# Allegro board SG2042_EVB_V2_0.brd (continued)
## Routing (per net, layer and track width the routed paths; a pad name or vN(x,y) marks a point on that pad's centre or on a via; arc(x,y) is an arc through that point) (continued)
  TOP w0.254: 22.86,223.6 R12617.2 ; R12617.2 23.29,223.16 ; R12617.2 v1(23.29,224.21) ; 52.33,166.23 J3.134 ; J3.134 52.99,165.56 ; J3.134 53.65,166.23 ; J3.134 52.99,166.89 ; v1(203.58,101.65) C6190.2 202.81,101.49 U3274.2 ; 52.99,279.46 J3.6 53.65,280.13 ; 178.31,264.16 J1.24 ; J1.24 178.31,265.49 ; J1.24 178.97,264.83 ; J1.24 177.65,264.83 ; U806.11 193.09,240.11 ; U806.11 v1(194.26,239.75) ; U806.11 192.08,239.75 ; C6247.2 v1(22.78,182.19) ; C6247.2 22.35,182.8 ; C6247.2 23.22,182.8 ; 212.9,208.43 C6159.2 ; C6159.2 212.47,208.86 ; C6159.2 212.9,209.3 ; v1(182.75,113.08) R12976.1 183.21,112.47 ; U29.11 190.24,178.76 ; 60.79,270.11 J4.17 ; J4.17 60.79,271.44 ; J4.17 61.45,270.78 ; J4.17 60.13,270.78 ; J1.246 182.77,193.43 ; J1.246 182.11,192.76 ; J1.246 181.45,193.43 ; J1.246 182.11,194.09 ; 178.31,279.46 J1.6 ; J1.6 178.97,280.13 ; J1.6 177.65,280.13 ; J1.55 176.71,239.14 ; J1.55 177.37,238.48 ; J1.55 176.05,238.48 ; R74.1 36.98,269.09 ; R74.1 v1(37.59,268.63) ; R74.1 R76.1 ; 63.93,177.27 J4.265 ; J4.265 65.25,177.27 ; J4.265 64.59,177.94 ; J4.265 64.59,176.61 ; 204.85,260.49 U813.4 ; U813.4 205.33,259.81 ; U813.4 v1(205.33,261.37) ; U813.4 205.82,260.49 ; R290.2 61.37,128.59 v1(60.82,129.13) ; R290.2 61.8,128.12 ; R290.2 61.37,127.69 ; 51.39,254.81 J3.35 ; J3.35 50.73,255.47 ; J3.35 51.39,256.14 ; J3.35 52.05,255.47 ; 56.13,276.73 J3.154 ; J3.154 56.79,277.39 ; J3.154 57.45,276.73 ; J3.154 56.79,276.06 ; D579.1 v1(233.65,170.21) ; D579.1 233.15,170.54 ; D579.1 232.82,170.21 ; v1(143.64,62.81) C5687.2 143.66,62.18 R12519.2 ; R13012.2 195,112.93 ; R13012.2 R13013.2 ; R13012.2 R13014.2 ; 187.73,73.18 C5985.2 ; C5985.2 188.6,73.18 ; C5985.2 188.16,73.61 ; J2.156 173.37,275.03 ; J2.156 172.05,275.03 ; J2.156 172.71,274.36 ; J2.156 172.71,275.69 ; v1(16.87,282.07) C534.1 ; C534.1 C533.1 C532.1 ; C534.1 C535.1 ; 50.73,238.48 J3.55 ; J3.55 52.05,238.48 ; J3.55 51.39,239.14 ; 55.19,266.71 J3.165 ; J3.165 55.85,267.38 ; J3.165 55.19,268.04 ; J3.165 54.53,267.38 ; C5920.2 v1(30.89,143.08) ; J2.26 168.91,263.79 ; J2.26 169.57,263.13 ; J2.26 168.91,262.46 ; J2.26 168.25,263.13 ; J1.114 178.97,183.23 ; J1.114 178.31,182.56 ; J1.114 178.31,183.89 ; J1.114 177.65,183.23 ; 170.45,260.58 J2.173 ; J2.173 171.11,259.91 ; J2.173 171.77,260.58 ; J2.173 171.11,261.24 ; J4.184 66.19,251.89 ; J4.184 66.19,250.56 ; J4.184 65.53,251.23 ; 65.15,44.76 J2036.A18 64.6,43.41 ; R292.2 116.51,114.78 ; R292.2 116.08,115.46 v1(116.08,115.46) ; R292.2 115.65,114.78 ; R299.2 134.93,92.13 ; R299.2 v1(133.88,92.13) ; R299.2 134.49,92.56 ; C5762.2 52.65,67.97 ; C5762.2 52.65,67.11 ; C5762.2 v1(52.04,67.54) ; R39.2 211.89,283.64 ; R39.2 211.89,282.78 ; R39.2 v1(212.5,283.21) ; C3509.2 123.77,82.83 ; C3509.2 v1(123.16,82.4) ; C3509.2 123.77,81.97 ; 154.93,49.69 J2030.73 v1(152.83,49.69) ; J1.105 176.71,191.54 ; J1.105 177.37,190.88 ; J1.105 176.05,190.88 ; J1.105 176.71,190.21 ; C5836.2 219.48,77.19 ; C5836.2 C5837.2 ; C5836.2 v1(219,77.8) ; 168.91,180.86 J2.116 ; J2.116 168.91,182.19 ; J2.116 169.57,181.53 ; J2.116 168.25,181.53 ; 224.12,232.3 U2005.1 ; U2005.1 224.5,231.82 ; U2005.1 v1(224.5,232.94) ; 179.85,199.38 J1.239 ; J1.239 180.51,198.71 ; J1.239 181.17,199.38 ; J3.263 55.19,179.64 ; J3.263 54.53,178.98 ; J3.263 55.19,178.31 ; J3.263 55.85,178.98 ; v1(90.81,301.24) C3375.1 90.66,300.49 U3262.29 ; J2.261 171.11,181.34 ; J2.261 171.11,180.01 ; J2.261 170.45,180.68 ; J2.261 171.77,180.68 ; K2.1 v1(227.01,190.17) ; K2.1 227.01,187.09 ; K2.1 226.2,188.54 ; K2.1 227.83,188.54 ; C3315.1 v1(49.12,75.18) ; C3315.1 48.51,75.62 ; C3315.1 48.51,74.75 ; R12725.2 v1(228.37,94.11) C6011.1 ; R12725.2 228.8,93.5 ; R12725.2 227.94,93.5 ; R2586.1 v1(120.98,80.9) ; R2586.1 122.02,80.9 ; R2586.1 121.59,80.47 ; 56.79,270.96 J3.160 ; J3.160 57.45,271.63 ; J3.160 56.13,271.63 ; J3.160 56.79,272.29 ; K2.3 227.83,180.02 ; K2.3 226.2,180.02 ; K2.3 v1(227.01,178.38) ; K2.3 227.01,181.47 ; C3309.2 56.01,73.89 ; C3309.2 v1(56.62,74.32) ; C3309.2 C3310.2 ; J4.171 65.25,262.28 ; J4.171 63.93,262.28 ; J4.171 64.59,262.94 ; J4.171 64.59,261.61 ; 122.23,13.35 Q2020.2 ; Q2020.2 122.79,12.67 ; Q2020.2 123.35,13.35 ; Q2020.2 v1(122.79,14.22) ; Q2010.2 130.39,50.61 ; Q2010.2 v1(130.39,49.07) ; Q2010.2 129.83,49.93 ; Q2010.2 130.95,49.93 ; 170.45,246.98 J2.189 ; J2.189 171.77,246.98 ; J2.189 171.11,247.64 ; J2.189 171.11,246.31 ; 171.11,164.71 J2.279 ; J2.279 171.11,166.04 ; J2.279 171.77,165.38 ; J2.279 170.45,165.38 ; 228.6,142.52 C6100.2 ; C6100.2 229.46,142.52 ; C6100.2 v1(229.03,141.91) ; C6166.2 v1(218.01,199.87) ; 231.5,271.51 D8.2 232.15,271.51 ; 60.13,238.48 J4.55 ; J4.55 61.45,238.48 ; J4.55 60.79,237.81 ; J4.55 60.79,239.14 ; C6213.2 v1(200.63,81.05) ; C6213.2 200.03,80.62 ; C6213.2 200.03,81.48 ; 51.39,256.51 J3.33 ; J3.33 52.05,257.18 ; J3.33 50.73,257.18 ; J3.33 51.39,257.84 ; J1.250 182.11,190.69 ; J1.250 181.45,190.03 ; J1.250 182.77,190.03 ; J1.250 182.11,189.36 ; 119.95,296.02 U3265.6 118.79,296.02 ; 49.38,152.5 C44.2 48.95,152.93 ; 231.5,266.88 D13.2 232.15,266.88 ; R80.1 37.44,266.04 ; R80.1 R78.1 ; R80.1 R82.1 ; 118.83,13.35 Q2018.2 ; Q2018.2 119.39,12.67 ; Q2018.2 119.95,13.35 ; Q2018.2 v1(119.39,14.22) ; 50.73,194.28 J3.101 ; J3.101 51.39,193.61 ; J3.101 51.39,194.94 ; J3.101 52.05,194.28 ; J3.254 56.79,187.29 ; J3.254 57.45,186.63 ; J3.254 56.79,185.96 ; J3.254 56.13,186.63 ; J4.35 61.45,255.47 ; J4.35 60.79,256.14 ; J4.35 60.13,255.47 ; J4.35 60.79,254.81 ; v1(115.01,37.16) 115.04,37.14 U2009.10 ; 176.05,194.28 J1.101 ; J1.101 176.71,193.61 ; J1.101 176.71,194.94 ; J1.101 177.37,194.28 ; C3308.1 48.51,116.76 ; C3308.1 v1(49.12,116.33) ; C3308.1 48.51,115.9 ; J2.28 169.57,261.43 ; J2.28 168.25,261.43 ; J2.28 168.91,262.09 ; J2.28 168.91,260.76 ; J1.107 176.71,189.84 ; J1.107 176.05,189.18 ; J1.107 177.37,189.18 ; J1.107 176.71,188.51 ; R12919.1 v1(219.71,198.4) ; v1(49.83,175.74) R12878.1 49.2,175.77 R12877.2 ; J3.171 55.19,262.94 ; J3.171 54.53,262.28 ; J3.171 55.19,261.61 ; J3.171 55.85,262.28 ; 111.34,36.64 Q403.2 ; Q403.2 111.9,35.96 ; Q403.2 v1(111.9,37.52) ; Q403.2 112.46,36.64 ; C3461.1 v1(146.2,301.07) ; C3461.1 v1(145.59,300.46) ; C3461.1 146.66,300.46 ; J3.131 51.39,169.44 ; J3.131 50.73,168.78 ; J3.131 51.39,168.11 ; J3.131 52.05,168.78 ; 181.45,169.63 J1.274 ; J1.274 182.11,170.29 ; J1.274 182.11,168.96 ; J1.274 182.77,169.63 ; Q2027.2 110.68,15.27 ; Q2027.2 110.12,14.59 ; Q2027.2 v1(110.68,13.74) ; Q2027.2 111.24,14.59 ; 55.5,87.48 55.5,87.91 ; 55.5,87.48 55.5,87.05 ; 55.5,87.48 v1(56.11,87.48) ; v1(213.69,76.28) R12675.2 ; 56.13,237.63 J3.200 ; J3.200 57.45,237.63 ; J3.200 56.79,238.29 ; 61.73,198.53 J4.96 62.39,199.19 ; Q2025.2 114.09,15.27 ; Q2025.2 114.65,14.59 ; Q2025.2 v1(114.09,13.74) ; Q2025.2 113.53,14.59 ; J2.42 168.91,250.19 ; J2.42 169.57,249.53 ; J2.42 168.91,248.86 ; J2.42 168.25,249.53 ; 60.13,175.58 J4.123 ; J4.123 61.45,175.58 ; J4.123 60.79,176.24 ; J4.123 60.79,174.91 ; 63.93,248.68 J4.187 ; J4.187 64.59,249.34 ; J4.187 64.59,248.01 ; J4.187 65.25,248.68 ; 51.39,270.11 J3.17 ; J3.17 50.73,270.78 ; J3.17 51.39,271.44 ; J3.17 52.05,270.78 ; J3.261 55.19,181.34 ; J3.261 55.19,180.01 ; J3.261 55.85,180.68 ; J3.261 54.53,180.68 ; 110.38,106.53 U17.40 ; U17.40 110.68,107.01 ; U17.40 110.38,107.66 v1(110.21,107.82) ; J4.46 63.05,246.12 ; J4.46 62.39,245.46 ; J4.46 62.39,246.79 ; J4.46 61.73,246.12 ; J3.44 53.65,247.83 ; J3.44 52.99,248.49 ; J3.44 52.99,247.16 ; J3.44 52.33,247.83 ; 181.45,256.33 J1.178 ; J1.178 182.77,256.33 ; J1.178 182.11,255.66 ; J1.178 182.11,256.99 ; Q2026.2 107.28,15.27 ; Q2026.2 107.84,14.59 ; Q2026.2 106.72,14.59 ; Q2026.2 v1(107.28,13.74) ; v1(152.83,39.69) J2030.33 v1(155.09,39.69) ; C6024.2 191.59,14.33 ; C6024.2 v1(191.13,14.94) ; C6024.2 C6026.2 ; 174.32,199.42 R6.2 ; R6.2 v1(175.36,199.42) ; R6.2 174.75,198.98 ; U47.4 192.7,225.72 v1(192.74,225.76) ; v1(18.14,211.66) D544.1 18.64,212.01 ; J1.189 180.51,247.64 ; J1.189 180.51,246.31 ; J1.189 179.85,246.98 ; J1.189 181.17,246.98 ; 208.89,106.6 U2018.11 ; U2018.11 209.24,107.6 ; U2018.11 v1(209.24,105.41) ; 60.79,186.81 J4.109 ; J4.109 61.45,187.48 ; J4.109 60.13,187.48 ; J4.109 60.79,188.14 ; 54.53,184.08 J3.257 ; J3.257 55.19,183.41 ; J3.257 55.85,184.08 ; J3.257 55.19,184.74 ; v1(23.34,169.92) D607.1 24.21,169.92 ; 183.95,198.98 R2.2 ; R2.2 v1(183.34,199.42) ; R2.2 184.38,199.42 ; J3.268 57.45,174.73 ; J3.268 56.79,175.39 ; J3.268 56.79,174.06 ; J3.268 56.13,174.73 ; 179.85,180.68 J1.261 ; J1.261 181.17,180.68 ; J1.261 180.51,180.01 ; J1.261 180.51,181.34 ; C580.1 C579.1 v1(109.19,266.45) ; C580.1 109.8,265.18 ; C580.1 v1(109.19,265.58) 108.58,265.58 108.58,265.18 ; C3433.1 108.38,296.85 ; C3433.1 107.95,296.42 ; C3433.1 107.52,296.85 ; C5924.2 v1(30.05,221.18) ; C5924.2 29.44,221.62 ; C5924.2 29.44,220.75 ; Q2009.2 v1(133.39,48.97) ; Q2009.2 132.83,48.12 ; Q2009.2 133.39,47.43 ; Q2009.2 133.95,48.12 ; 60.79,169.81 J4.129 ; J4.129 60.79,171.14 ; J4.129 60.13,170.48 ; J4.129 61.45,170.48 ; 56.13,193.43 J3.246 ; J3.246 56.79,192.76 ; J3.246 57.45,193.43 ; J3.246 56.79,194.09 ; J1.33 176.71,257.84 ; J1.33 176.71,256.51 ; J1.33 176.05,257.18 ; J1.33 177.37,257.18 ; 46.67,138.9 Q2035.2 ; Q2035.2 47.79,138.9 ; Q2035.2 47.23,139.59 ; C3458.1 136.42,300.46 ; C3458.1 v1(135.97,301.07) ; C3458.1 v1(135.36,300.46) ; 64.59,164.71 J4.279 ; J4.279 65.25,165.38 ; J4.279 64.59,166.04 ; J4.279 63.93,165.38 ; C6018.2 v1(219.05,293.24) ; C6018.2 C6020.2 ; C6018.2 219.48,293.85 ; J1.9 177.37,277.58 ; J1.9 176.05,277.58 ; J1.9 176.71,278.24 ; J1.9 176.71,276.91 ; U17.11 110.38,113.28 ; U17.11 110.68,112.81 ; U17.11 110.38,112.16 v1(109.17,110.95) v1(108.13,109.91) ; R12559.2 238.99,93.5 ; R12559.2 238.12,93.5 ; R12559.2 v1(238.56,94.11) C5859.1 ; 56.79,172.36 J3.270 ; J3.270 56.13,173.03 ; J3.270 56.79,173.69 ; J3.270 57.45,173.03 ; J2.22 169.57,266.52 ; J2.22 168.91,267.19 ; J2.22 168.25,266.52 ; v1(49.86,180.87) C6153.2 R12875.2 ; R12842.2 v1(196.42,180.06) ; 177.65,184.93 J1.112 ; J1.112 178.31,185.59 ; J1.112 178.97,184.93 ; J1.112 178.31,184.26 ; 179.85,197.67 J1.241 ; J1.241 180.51,197.01 ; J1.241 180.51,198.34 ; J1.241 181.17,197.67 ; C3310.2 56.01,75.62 ; C3310.2 v1(56.62,75.18) ; 47.51,298.43 Q501.2 ; Q501.2 46.82,298.99 ; Q501.2 47.51,299.55 ; Q501.2 v1(48.36,298.99) ; 178.31,179.16 J1.118 ; J1.118 178.31,180.49 ; J1.118 177.65,179.83 ; J1.118 178.97,179.83 ; 18.64,200.1 D576.1 v1(18.14,199.75) ; 167.31,174.91 J2.123 ; J2.123 167.97,175.58 ; J2.123 167.31,176.24 ; J2.123 166.65,175.58 ; J3.272 57.45,171.33 ; J3.272 56.79,171.99 ; J3.272 56.13,171.33 ; J3.272 56.79,170.66 ; 232.15,277.96 D12.2 231.5,277.96 ; 60.79,271.81 J4.15 ; J4.15 61.45,272.48 ; J4.15 60.13,272.48 ; J4.15 60.79,273.14 ; J4.178 66.19,256.99 ; J4.178 66.19,255.66 ; J4.178 65.53,256.33 ; 171.11,261.61 J2.171 ; J2.171 170.45,262.28 ; J2.171 171.77,262.28 ; J2.171 171.11,262.94 ; v1(155.09,41.19) J2030.39 v1(152.83,41.19) ; 51.39,171.51 J3.127 ; J3.127 51.39,172.84 ; J3.127 50.73,172.18 ; J3.127 52.05,172.18 ; v1(155.09,33.69) J2030.9 v1(152.83,33.69) ; 60.13,192.58 J4.103 ; J4.103 60.79,191.91 ; J4.103 61.45,192.58 ; J4.103 60.79,193.24 ; GND1.1 v1(122.02,271.78) ; 51.39,190.21 J3.105 ; J3.105 51.39,191.54 ; J3.105 50.73,190.88 ; J3.105 52.05,190.88 ; 207.21,296.6 C3373.1 207.8,297.08 v1(207.82,297.05) ; C536.1 22.4,279.78 ; C536.1 v1(21.97,280.39) ; C536.1 21.97,279.35 ; 224.66,152.32 224.66,152.76 ; 224.66,152.32 v1(225.25,152.32) ; 224.66,152.32 224.66,151.89 ; 65.53,173.03 J4.270 ; J4.270 66.19,173.69 ; J4.270 66.85,173.03 ; J4.270 66.19,172.36 ; Q2034.2 186.75,15.59 ; Q2034.2 186.19,14.9 ; Q2034.2 v1(186.75,14.05) ; Q2034.2 187.31,14.9 ; 176.71,186.81 J1.109 ; J1.109 176.71,188.14 ; J1.109 177.37,187.48 ; J1.109 176.05,187.48 ; J4.272 66.19,171.99 ; J4.272 66.19,170.66 ; J4.272 65.53,171.33 ; J4.272 66.85,171.33 ; U3242.4 v1(20.52,139.32) ; U3242.4 21.77,138.82 ; U3242.4 21.77,139.81 ; U3242.4 22.83,139.32 ; C6140.1 39.24,205.49 ; C6140.1 v1(38.63,205.05) ; C6140.1 39.24,204.62 ; 172.05,167.92 J2.276 ; J2.276 173.37,167.92 ; J2.276 172.71,167.26 ; J2.276 172.71,168.59 ; 66.19,168.96 J4.274 ; J4.274 66.85,169.63 ; J4.274 65.53,169.63 ; J4.274 66.19,170.29 ; 60.13,194.28 J4.101 60.79,193.61 ; U3264.17 114.13,295.33 ; U3264.17 114.13,294.72 ; U3264.17 114.71,295.02 ; U3264.17 113.55,295.02 ; 163.04,86.79 R13031.2 162.61,86.36 ; 118.79,295.02 U3265.8 ; U3265.8 119.37,294.72 ; U3265.8 119.95,295.02 ; C3411.1 107.24,144.22 ; C3411.1 107.67,144.65 ; C3411.1 108.1,144.22 ; Y2.3 v1(109.68,98.61) ; Y2.3 107.33,98.61 ; Y2.3 v1(108.41,97.26) ; Y2.3 108.41,99.79 ; U2010.11 v1(75.39,155.93) ; U2010.11 75.39,153.76 ; U2010.11 75.75,154.77 ; C6017.2 37.72,140.49 ; C6017.2 v1(37.11,140.03) ; C6017.2 C6015.2 v1(37.11,139.17) ; 60.79,251.41 J4.39 ; J4.39 60.79,252.74 ; J4.39 61.45,252.08 ; J4.39 60.13,252.08 ; R12696.1 v1(113.46,71.25) ; 217.83,105.6 U14.11 ; U14.11 217.47,106.6 ; U14.11 v1(217.83,107.77) ; R41.2 16.74,287.58 ; R41.2 v1(16.13,287.15) ; R41.2 16.74,286.71 ; C5743.2 53.34,95.5 ; C5743.2 C5742.2 ; C5743.2 v1(53.8,96.11) ; U2019.3 v1(22.48,114.72) ; R12922.2 v1(19.89,116.38) ; 62.39,279.46 J4.6 ; J4.6 63.05,280.13 ; J4.6 61.73,280.13 ; C6044.2 20.8,200.94 ; C6044.2 20.22,200.38 ; C6044.2 21.39,200.38 ; J1.103 176.71,193.24 ; J1.103 176.71,191.91 ; J1.103 176.05,192.58 ; J1.103 177.37,192.58 ; J3.241 55.19,198.34 ; J3.241 55.85,197.67 ; J3.241 55.19,197.01 ; J3.241 54.53,197.67 ; J1.125 177.37,173.88 ; J1.125 176.71,173.21 ; J1.125 176.05,173.88 ; J1.125 176.71,174.54 ; 114.13,296.83 U3264.20 114.71,296.52 ; 54.53,199.38 J3.239 ; J3.239 55.85,199.38 ; J3.239 55.19,198.71 ; J2.252 172.71,188.99 ; J2.252 172.05,188.32 ; J2.252 173.37,188.32 ; J2.252 172.71,187.66 ; J3.15 52.05,272.48 ; J3.15 50.73,272.48 ; J3.15 51.39,271.81 ; J3.15 51.39,273.14 ; 60.79,168.11 J4.131 ; J4.131 60.13,168.78 ; J4.131 61.45,168.78 ; J4.131 60.79,169.44 ; C5751.2 v1(51.18,95.5) ; C5751.2 51.79,95.07 ; C5751.2 51.79,95.94 ; R313.1 v1(124.61,155.68) ; R313.1 125.04,156.29 ; R313.1 124.61,156.72 ; 63.93,260.58 J4.173 ; J4.173 64.59,259.91 ; J4.173 65.25,260.58 ; J4.173 64.59,261.24 ; 179.85,265.68 J1.167 ; J1.167 180.51,266.34 ; J1.167 181.17,265.68 ; J1.167 180.51,265.01 ; 52.33,249.53 J3.42 ; J3.42 53.65,249.53 ; J3.42 52.99,250.19 ; J3.42 52.99,248.86 ; v1(53.8,33.07) C5788.2 ; C5788.2 53.34,33.68 ; C5788.2 C5789.2 ; R12885.1 61.8,47.22 ; R12885.1 61.37,46.79 ; R12885.1 v1(61.37,47.83) ; 170.45,263.98 J2.169 ; J2.169 171.77,263.98 ; J2.169 171.11,263.31 ; 179.85,260.58 J1.173 ; J1.173 180.51,259.91 ; J1.173 181.17,260.58 ; J1.173 180.51,261.24 ; J1.46 178.31,246.79 ; J1.46 178.31,245.46 ; J1.46 178.97,246.12 ; J1.46 177.65,246.12 ; C6048.2 v1(19.76,204.6) ; C6048.2 20.19,205.21 ; C6048.2 19.33,205.21 ; 26.31,182.85 R13024.2 ; R13024.2 25.88,183.29 ; R13024.2 v1(26.31,183.9) ; U814.11 v1(37.03,235.97) ; U814.11 37.03,233.79 ; U814.11 36.67,234.79 ; 181.45,254.63 J1.180 ; J1.180 182.77,254.63 ; J1.180 182.11,255.29 ; J1.180 182.11,253.96 ; 176.05,172.18 J1.127 ; J1.127 176.71,171.51 ; J1.127 177.37,172.18 ; J1.127 176.71,172.84 ; C2010.2 19.51,70.26 ; C2010.2 19.51,69.39 ; C2010.2 v1(20.12,69.82) ; R12522.2 v1(130.66,60.91) ; J4.105 60.79,191.54 ; J4.105 61.45,190.88 ; J4.105 60.13,190.88 ; J4.105 60.79,190.21 ; C1675.2 214.96,214.68 ; C1675.2 v1(214.53,214.07) ; C1675.2 214.1,214.68 ; 36.98,263.88 R72.1 ; R72.1 R82.1 ; R72.1 37.41,264.31 ; C3382.1 95.05,278.79 ; J1.147 181.17,282.68 ; J1.147 180.51,282.01 ; J1.147 179.85,282.68 ; J1.147 180.51,283.34 ; U807.11 212.83,242.22 ; U807.11 v1(212.48,241.05) ; U807.11 212.48,243.22 ; 56.79,250.56 J3.184 ; J3.184 56.79,251.89 ; J3.184 56.13,251.23 ; J3.184 57.45,251.23 ; J2.187 171.11,249.34 ; J2.187 170.45,248.68 ; J2.187 171.77,248.68 ; J2.187 171.11,248.01 ; U11.5 v1(132.03,24.6) ; U11.5 130.7,24.6 ; U11.5 131.28,24.9 ; R12.2 v1(48.16,161.93) ; v1(224.46,231.39) C3334.1 225.15,231.47 U2005.2 ; U3268.8 107.07,146.05 ; J4.180 66.19,255.29 ; J4.180 66.19,253.96 ; J4.180 65.53,254.63 ; 56.13,169.63 J3.274 ; J3.274 56.79,168.96 ; J3.274 57.45,169.63 ; J3.274 56.79,170.29 ; J3.156 57.45,275.03 ; J3.156 56.79,274.36 ; J3.156 56.79,275.69 ; J3.156 56.13,275.03 ; C1232.2 225.7,258.88 ; C1232.2 v1(226.31,258.44) ; C1232.2 225.7,258.01 ; 179.85,267.38 J1.165 ; J1.165 181.17,267.38 ; J1.165 180.51,268.04 ; J1.165 180.51,266.71 ; 173.37,269.93 J2.162 172.71,270.59 ; C5791.2 48.51,47.65 ; C5791.2 48.51,46.79 ; C5791.2 v1(49.12,47.22) ; C1737.2 v1(56.62,115.47) ; C1737.2 56.01,115.04 ; C1737.2 56.01,115.9 ; C5667.2 v1(222.88,145.59) ; C5667.2 222.28,146.03 ; C5667.2 222.28,145.16 ; 176.05,170.48 J1.129 ; J1.129 177.37,170.48 ; J1.129 176.71,169.81 ; J1.129 176.71,171.14 ; 227.46,259.94 R2189.1 ; R2189.1 v1(228.5,259.94) ; R2189.1 227.89,260.38 ; 60.13,189.18 J4.107 ; J4.107 60.79,188.51 ; J4.107 60.79,189.84 ; J4.107 61.45,189.18 ; Q2022.2 126.76,13.35 ; Q2022.2 v1(126.2,14.22) ; Q2022.2 126.2,12.67 ; Q2022.2 125.64,13.35 ; 52.99,165.19 J3.136 53.65,164.53 ; 18.64,194.11 D578.1 v1(18.14,193.76) ; 172.71,187.29 J2.254 173.37,186.63 ; J1.149 180.51,281.64 ; J1.149 181.17,280.98 ; J1.149 179.85,280.98 ; U3276.3 v1(213.36,99.6) ; 124.37,294.72 U3265.17 ; U3265.17 124.95,295.02 ; U3265.17 123.79,295.02 ; J3.118 52.99,180.49 ; J3.118 53.65,179.83 ; J3.118 52.99,179.16 ; J3.118 52.33,179.83 ; 178.31,165.56 J1.134 ; J1.134 178.97,166.23 ; J1.134 178.31,166.89 ; J1.134 177.65,166.23 ; 166.65,168.78 J2.131 ; J2.131 167.97,168.78 ; J2.131 167.31,168.11 ; J2.131 167.31,169.44 ; J1.270 182.11,173.69 ; J1.270 182.11,172.36 ; J1.270 182.77,173.03 ; J1.270 181.45,173.03 ; 178.31,267.56 J1.20 ; J1.20 177.65,268.23 ; J1.20 178.31,268.89 ; J1.20 178.97,268.23 ; C3368.1 v1(94.41,300.46) ; C3368.1 95.48,300.46 ; C3368.1 v1(95.02,301.07) ; C583.1 126.64,265.18 ; C583.1 C582.1 v1(126.03,266.45) ; C583.1 v1(126.03,265.58) C585.2 125.43,265.18 ; C6169.1 198.3,86.54 ; C6169.1 197.43,86.54 ; C6169.1 v1(197.87,85.93) ; 222.55,71.4 U3237.42 222.55,75.23 v1(222.63,75.31) ; 222.55,71.4 v1(222.3,71.15) ; 222.55,71.4 v1(223.19,72.03) 223.55,72.4 U3237.33 v1(226.47,72.4) ; U3236.4 136.79,58.39 ; U3236.4 136.01,58.87 ; U3236.4 v1(135.05,58.39) ; U3236.4 136.01,57.92 ; 61.73,261.43 J4.28 ; J4.28 62.39,260.76 ; J4.28 62.39,262.09 ; J4.28 63.05,261.43 ; 58.85,46.79 R12886.1 ; R12886.1 58.42,47.22 ; R12886.1 v1(58.85,47.83) ; 172.05,258.03 J2.176 ; J2.176 172.71,257.36 ; J2.176 173.37,258.03 ; J2.176 172.71,258.69 ; 51.39,253.11 J3.37 ; J3.37 50.73,253.78 ; J3.37 52.05,253.78 ; J3.37 51.39,254.44 ; 181.45,258.03 J1.176 ; J1.176 182.77,258.03 ; J1.176 182.11,258.69 ; J1.176 182.11,257.36 ; C574.2 v1(31.27,273.1) ; C574.2 30.66,272.67 ; C574.2 30.66,273.53 ; v1(192.2,228.57) U47.8 v1(192.2,226.39) ; J4.116 63.05,181.53 ; J4.116 62.39,180.86 ; J4.116 62.39,182.19 ; J4.116 61.73,181.53 ; 104.48,296.52 U3263.20 103.9,296.83 ; C6023.2 211.61,14.33 ; C6023.2 v1(212.06,14.94) ; C6023.2 C6021.2 ; 172.71,276.06 J2.154 ; J2.154 173.37,276.73 ; J2.154 172.71,277.39 ; J2.154 172.05,276.73 ; R2495.2 123.7,167.41 ; R2495.2 123.7,166.55 ; R2495.2 v1(124.31,166.98) ; 18.64,194.81 D573.1 ; D573.1 18.97,195.14 ; D573.1 v1(18.14,195.14) ; 52.33,266.52 J3.22 ; J3.22 53.65,266.52 ; J3.22 52.99,267.19 ; J3.22 52.99,265.86 ; 168.91,246.79 J2.46 169.57,246.12 ; 64.59,163.01 J4.281 ; J4.281 63.93,163.68 ; J4.281 65.25,163.68 ; J4.281 64.59,164.34 ; 52.33,184.93 J3.112 ; J3.112 53.65,184.93 ; J3.112 52.99,184.26 ; J3.112 52.99,185.59 ; Q2029.2 227.87,292.73 ; Q2029.2 228.43,292.04 ; Q2029.2 v1(227.87,291.19) ; Q2029.2 227.31,292.04 ; 49.38,216.08 C57.2 ; C57.2 48.79,216.64 ; C57.2 v1(50.14,216.64) ; 213.54,228.55 C1191.2 ; C1191.2 v1(213.97,229.16) ; C1191.2 214.4,228.55 ; 140.42,297.02 U3267.4 139.26,297.02 ; R17.2 v1(149.68,287.55) ; J2.268 172.71,175.39 ; J2.268 172.05,174.73 ; J2.268 173.37,174.73 ; J2.268 172.71,174.06 ; C5928.2 v1(19.76,218.21) ; C5928.2 20.19,218.82 ; C5928.2 19.33,218.82 ; Q2030.2 223.13,293.28 ; Q2030.2 222.57,292.59 ; Q2030.2 v1(222.57,294.13) ; Q2030.2 222.01,293.28 ; 119.95,297.02 U3265.4 118.79,297.02 ; J2.272 172.71,171.99 ; J2.272 172.71,170.66 ; J2.272 173.37,171.33 ; J2.272 172.05,171.33 ; 56.13,188.32 J3.252 ; J3.252 56.79,187.66 ; J3.252 57.45,188.32 ; J3.252 56.79,188.99 ; U56.4 43.32,225.72 v1(43.36,225.76) ; R12486.2 v1(213.79,146.81) ; R12486.2 214.22,146.2 ; R12486.2 213.36,146.2 ; 172.71,192.76 J2.246 ; J2.246 172.71,194.09 ; J2.246 172.05,193.43 ; J2.246 173.37,193.43 ; R12981.2 v1(215.95,97.94) ; C1218.2 v1(129.31,152.4) ; C1218.2 128.88,153.01 ; C1218.2 129.74,153.01 ; J3.276 57.45,167.92 ; J3.276 56.13,167.92 ; J3.276 56.79,168.59 ; J3.276 56.79,167.26 ; C6040.2 29.44,208 ; C6040.2 29.44,207.14 ; C6040.2 v1(30.05,207.57) ; J2.134 168.91,166.89 ; J2.134 168.25,166.23 ; J2.134 168.91,165.56 ; J2.134 169.57,166.23 ; J4.268 66.19,175.39 ; J4.268 66.19,174.06 ; J4.268 66.85,174.73 ; J4.268 65.53,174.73 ; J4.138 62.39,163.49 ; J4.138 63.05,162.83 ; J4.138 61.73,162.83 ; J4.138 62.39,162.16 ; 51.39,239.51 J3.53 ; J3.53 50.73,240.18 ; J3.53 52.05,240.18 ; J3.53 51.39,240.84 ; U3266.29 131.61,300.49 C3466.1 v1(131.75,301.24) ; J2.118 169.57,179.83 ; J2.118 168.91,180.49 ; J2.118 168.25,179.83 ; J2.118 168.91,179.16 ; J1.193 181.17,243.58 ; J1.193 179.85,243.58 ; J1.193 180.51,242.91 ; J1.193 180.51,244.24 ; R12970.2 v1(187.66,85.19) ; R12970.2 187.22,85.8 ; R12970.2 188.09,85.8 ; C3162.2 225.7,265.51 ; C3162.2 225.7,264.64 ; C3162.2 v1(226.31,265.07) ; R12489.2 v1(224.43,141.88) ; J4.127 60.79,172.84 ; J4.127 61.45,172.18 ; J4.127 60.79,171.51 ; J4.127 60.13,172.18 ; C6240.2 v1(33.07,180.87) ; C6240.2 32.46,181.31 ; C6240.2 32.46,180.44 ; R13014.2 196.29,112.47 ; R13014.2 195.86,112.9 ; J3.20 53.65,268.23 ; J3.20 52.99,268.89 ; J3.20 52.99,267.56 ; J3.20 52.33,268.23 ; 55.19,244.61 J3.191 ; J3.191 54.53,245.28 ; J3.191 55.19,245.94 ; J3.191 55.85,245.28 ; 178.31,247.16 J1.44 ; J1.44 178.31,248.49 ; J1.44 178.97,247.83 ; J1.44 177.65,247.83 ; J2.248 173.37,191.73 ; J2.248 172.05,191.73 ; J2.248 172.71,192.39 ; J2.248 172.71,191.06 ; U3275.4 v1(189.66,77.24) ; U3275.4 190.9,77.74 ; U3275.4 191.97,77.24 ; U3275.4 190.9,76.75 ; 170.45,282.68 J2.147 ; J2.147 171.11,283.34 ; J2.147 171.77,282.68 ; C5917.2 30.78,142.29 ; C5917.2 v1(31.37,141.86) ; C5917.2 30.78,141.43 ; 167.31,253.11 J2.37 ; J2.37 167.97,253.78 ; J2.37 167.31,254.44 ; 55.19,241.21 J3.195 ; J3.195 55.19,242.54 ; J3.195 54.53,241.88 ; J3.195 55.85,241.88 ; 205.13,241.83 C3285.1 ; C3285.1 v1(205.56,242.44) ; C3285.1 205.99,241.83 ; C1561.2 116.74,140.54 ; C1561.2 116.31,140.11 ; C1561.2 116.31,140.97 ; v1(108.13,109.91) v1(107.09,110.95) 106.38,111.66 U17.19 106.38,113.38 ; v1(108.13,109.91) 109.38,108.66 U17.38 ; v1(108.13,109.91) v1(107.09,108.86) 105.88,107.66 U17.31 ; 180.51,183.41 J1.257 ; J1.257 179.85,184.08 ; J1.257 181.17,184.08 ; J1.257 180.51,184.74 ; C6217.2 v1(214.4,101.65) ; C6217.2 213.79,101.22 ; C6217.2 213.79,102.08 ; R2118.1 v1(105.26,105.41) ; 52.33,198.53 J3.96 ; J3.96 52.99,197.86 ; J3.96 53.65,198.53 ; J3.96 52.99,199.19 ; 60.13,258.88 J4.31 ; J4.31 61.45,258.88 ; J4.31 60.79,258.21 ; J4.31 60.79,259.54 ; R84.1 v1(32.05,272.24) ; R84.1 31.01,272.24 ; R84.1 31.45,272.67 ; J3.50 53.65,242.73 ; J3.50 52.99,243.39 ; J3.50 52.33,242.73 ; J3.50 52.99,242.06 ; J2.129 167.97,170.48 ; J2.129 167.31,171.14 ; J2.129 166.65,170.48 ; J2.129 167.31,169.81 ; 176.05,253.78 J1.37 ; J1.37 176.71,254.44 ; J1.37 177.37,253.78 ; J1.37 176.71,253.11 ; C5790.2 v1(49.12,34.54) ; C5790.2 48.51,34.11 ; C5790.2 48.51,34.98 ; Q2031.2 v1(203.24,16.99) ; Q2031.2 202.68,16.14 ; Q2031.2 203.8,16.14 ; Q2031.2 203.24,15.45 ; C6104.2 226.67,152.63 ; C6104.2 v1(226.06,152.2) ; C6104.2 226.67,151.76 ; 182.24,89.2 R12960.2 ; R12960.2 v1(182.68,88.6) ; R12960.2 183.11,89.2 ; R2187.1 130.81,151.26 ; R2187.1 131.24,150.83 ; R2187.1 v1(130.81,150.22) ; R12988.1 177.55,77.44 ; R12988.1 177.11,77.01 ; R12988.1 v1(176.5,77.44) ; 50.73,170.48 J3.129 ; J3.129 51.39,169.81 ; J3.129 52.05,170.48 ; J3.129 51.39,171.14 ; C5689.2 v1(160.58,90.07) C5690.2 ; J3.178 57.45,256.33 ; J3.178 56.13,256.33 ; J3.178 56.79,256.99 ; J3.178 56.79,255.66 ; 63.93,263.98 J4.169 ; J4.169 64.59,263.31 ; J4.169 65.25,263.98 ; J4.169 64.59,264.64 ; J3.189 55.19,247.64 ; J3.189 54.53,246.98 ; J3.189 55.19,246.31 ; J3.189 55.85,246.98 ; 123.79,295.52 U3265.18 124.95,295.52 ; v1(59.4,88.49) 58.85,87.95 R289.2 ; 178.31,260.76 J1.28 ; J1.28 178.97,261.43 ; J1.28 178.31,262.09 ; J1.28 177.65,261.43 ; R12723.2 v1(128.42,71.91) ; v1(233.65,168.57) D580.1 232.77,168.57 ; v1(16,282.07) C535.1 ; C535.1 15.54,281.46 ; J2.198 172.71,239.99 ; J2.198 172.71,238.66 ; J2.198 172.05,239.33 ; J2.198 173.37,239.33 ; C3445.1 v1(125.73,301.07) ; C3445.1 v1(125.12,300.46) ; C3445.1 126.19,300.46 ; 124.95,296.02 U3265.19 123.79,296.02 ; v1(112.75,150.65) U60.1 ; J2030.75 154.92,50.19 ; J2030.75 153.96,50.52 ; J2030.75 152.88,50.19 v1(152.83,50.24) ; 105.88,106.53 U17.31 ; U17.31 105.57,107.01 ; 64.59,242.54 J4.195 63.93,241.88 ; C5868.2 164.49,49.48 ; C5868.2 164.49,48.62 ; C5868.2 v1(165.1,49.05) ; R12907.1 226.9,67.29 ; R12907.1 226.9,66.42 ; R12907.1 v1(226.29,66.85) ; J1.187 181.17,248.68 ; J1.187 180.51,249.34 ; J1.187 179.85,248.68 ; J1.187 180.51,248.01 ; Q2033.2 v1(181.45,16.99) ; Q2033.2 181.45,15.45 ; Q2033.2 180.89,16.14 ; Q2033.2 182.01,16.14 ; D606.1 v1(23.34,171.56) ; D606.1 23.85,171.89 ; D606.1 24.18,171.56 ; 177.65,178.13 J1.120 ; J1.120 178.97,178.13 ; J1.120 178.31,178.79 ; J1.120 178.31,177.46 ; v1(222.3,71.15) v1(221.41,72.03) 219.55,73.9 U3237.1 v1(218.85,74.37) ; v1(222.3,71.15) v1(223.19,70.26) 224.05,69.4 U3237.22 v1(224.05,66.98) ; v1(222.3,71.15) 221.55,70.4 ; J3.281 55.19,164.34 ; J3.281 54.53,163.68 ; J3.281 55.85,163.68 ; Q2028.2 v1(103.88,13.74) ; Q2028.2 103.32,14.59 ; Q2028.2 103.88,15.27 ; Q2028.2 104.44,14.59 ; C1156.1 104.14,104.98 ; C1156.1 v1(104.75,104.55) ; C1156.1 104.14,104.11 ; C1670.2 v1(10.52,157.78) ; J4.33 60.79,257.84 ; J4.33 60.13,257.18 ; J4.33 61.45,257.18 ; J4.33 60.79,256.51 ; 180.51,178.31 J1.263 ; J1.263 180.51,179.64 ; J1.263 181.17,178.98 ; J1.263 179.85,178.98 ; J1.243 180.51,196.64 ; J1.243 181.17,195.98 ; J1.243 180.51,195.31 ; J1.243 179.85,195.98 ; C53.2 49.1,235.92 ; C53.2 v1(50.16,235.92) ; C53.2 49.56,236.33 ; J2.243 171.77,195.98 ; J2.243 170.45,195.98 ; J2.243 171.11,196.64 ; 22.35,178.51 C6243.2 ; C6243.2 v1(22.78,177.9) ; C6243.2 23.22,178.51 ; 220.55,69.4 v1(221.41,70.26) 221.55,70.4 ; 220.55,69.4 U3237.15 v1(220.55,66.98) ; 220.55,69.4 U3237.10 v1(217.42,69.4) ; D608.1 24.18,167.68 ; D608.1 23.85,167.36 ; D608.1 v1(23.34,167.68) ; 60.13,253.78 J4.37 ; J4.37 60.79,254.44 ; J4.37 60.79,253.11 ; J4.37 61.45,253.78 ; 171.11,266.34 J2.167 171.77,265.68 ; 52.99,264.16 J3.24 ; J3.24 52.99,265.49 ; J3.24 53.65,264.83 ; J3.24 52.33,264.83 ; C1196.2 v1(221.82,206.88) ; C1196.2 222.25,206.27 ; C1196.2 221.39,206.27 ; J3.13 51.39,274.84 ; J3.13 52.05,274.18 ; J3.13 50.73,274.18 ; J3.13 51.39,273.51 ; 51.39,174.91 J3.123 ; J3.123 51.39,176.24 ; J3.123 50.73,175.58 ; J3.123 52.05,175.58 ; J4.26 62.39,263.79 ; J4.26 62.39,262.46 ; J4.26 61.73,263.13 ; J4.26 63.05,263.13 ; 63.93,246.98 J4.189 ; J4.189 65.25,246.98 ; J4.189 64.59,246.31 ; J4.189 64.59,247.64 ; 227.43,176.1 C1171.2 v1(227,175.49) ; J3.250 56.79,190.69 ; J3.250 57.45,190.03 ; J3.250 56.13,190.03 ; J3.250 56.79,189.36 ; R294.2 v1(118.11,112.12) ; R294.2 117.5,112.55 ; R294.2 117.07,112.12 ; 61.73,166.23 J4.134 ; J4.134 62.39,166.89 ; J4.134 62.39,165.56 ; J4.134 63.05,166.23 ; C3370.1 87.91,296.85 ; C3370.1 87.48,296.42 ; C3370.1 87.05,296.85 ; C3280.1 v1(199.11,232.84) ; C3280.1 198.5,232.41 ; C3280.1 198.5,233.27 ; 206.78,298.75 C3374.1 C3405.1 ; v1(155.09,31.64) 155.04,31.69 J2030.1 152.88,31.69 v1(152.83,31.64) ; J1.26 178.97,263.13 ; J1.26 177.65,263.13 ; J1.26 178.31,263.79 ; J1.26 178.31,262.46 ; 58.78,216.08 C77.2 ; C77.2 59.36,216.64 ; C77.2 v1(58.01,216.64) ; R122.1 v1(40.41,282.98) ; J3.26 52.99,263.79 ; J3.26 52.99,262.46 ; J3.26 53.65,263.13 ; J3.26 52.33,263.13 ; U2006.11 209.24,126.09 ; U2006.11 v1(209.24,123.9) ; U2006.11 208.89,125.09 ; R13015.2 192.81,112.47 ; R13015.2 v1(193.27,113.08) ; R13015.2 R13013.2 ; R12858.2 v1(36.68,191.24) ; R2518.1 20.3,111.18 ; R2518.1 19.86,110.74 ; R2518.1 v1(19.25,111.18) ; 178.31,243.76 J1.48 ; J1.48 178.97,244.43 ; J1.48 177.65,244.43 ; J1.48 178.31,245.09 ; v1(152.83,49.14) 152.88,49.19 J2030.71 154.93,49.19 ; J1.182 182.11,253.59 ; J1.182 181.45,252.93 ; J1.182 182.77,252.93 ; J1.182 182.11,252.26 ; J2.138 168.91,163.49 ; J2.138 169.57,162.83 ; J2.138 168.25,162.83 ; R12668.1 v1(184.02,67.82) ; J1.259 181.17,182.38 ; J1.259 180.51,181.71 ; J1.259 180.51,183.04 ; J1.259 179.85,182.38 ; 52.33,246.12 J3.46 ; J3.46 52.99,245.46 ; J3.46 52.99,246.79 ; J3.46 53.65,246.12 ; J1.254 182.77,186.63 ; J1.254 181.45,186.63 ; J1.254 182.11,185.96 ; J1.254 182.11,187.29 ; J1.136 178.31,165.19 ; J1.136 177.65,164.53 ; J1.136 178.97,164.53 ; J2.31 167.31,259.54 ; J2.31 167.97,258.88 ; J2.31 167.31,258.21 ; 168.91,163.86 J2.136 ; J2.136 168.91,165.19 ; J2.136 169.57,164.53 ; J2.136 168.25,164.53 ; C3479.1 138.46,278.79 ; 51.39,186.81 J3.109 ; J3.109 52.05,187.48 ; J3.109 51.39,188.14 ; J3.109 50.73,187.48 ; v1(40.84,223.85) C1534.1 R659.2 ; J4.276 66.85,167.92 ; J4.276 66.19,167.26 ; J4.276 65.53,167.92 ; J4.276 66.19,168.59 ; 62.39,163.86 J4.136 ; J4.136 62.39,165.19 ; J4.136 61.73,164.53 ; J4.136 63.05,164.53 ; v1(145.34,59.05) R12527.2 145.8,59.66 ; 174.27,152.93 C24.2 174.7,152.5 ; 65.25,243.58 J4.193 64.59,242.91 ; J4.44 63.05,247.83 ; J4.44 62.39,248.49 ; J4.44 61.73,247.83 ; J4.44 62.39,247.16 ; C60.2 v1(49.56,282.73) ; C60.2 49.12,283.34 ; C60.2 49.99,283.34 ; J3.98 53.65,196.83 ; J3.98 52.99,197.49 ; J3.98 52.99,196.16 ; J3.98 52.33,196.83 ; J3.173 55.19,261.24 ; J3.173 55.85,260.58 ; J3.173 55.19,259.91 ; J3.173 54.53,260.58 ; C3324.2 v1(183.95,277.57) ; C3324.2 R492.2 184.81,277.72 ; C3324.2 183.49,278.18 ; 51.39,276.91 J3.9 ; J3.9 50.73,277.58 ; J3.9 51.39,278.24 ; J3.9 52.05,277.58 ; 221.55,70.4 U3237.8 v1(217.42,70.4) ; C3286.1 193.47,233.27 ; C3286.1 193.47,232.41 ; C3286.1 v1(192.86,232.84) ; U816.3 v1(225.27,263.02) ; C584.1 v1(131.11,22.12) ; C584.1 131.72,21.69 ; C584.1 131.72,22.56 ; 182.11,170.66 J1.272 ; J1.272 181.45,171.33 ; J1.272 182.11,171.99 ; J1.272 182.77,171.33 ; J1.160 182.11,272.29 ; J1.160 181.45,271.63 ; J1.160 182.77,271.63 ; J1.160 182.11,270.96 ; 134.49,89.18 R298.2 ; R298.2 v1(133.88,89.61) ; R298.2 134.93,89.61 ; 167.31,251.41 J2.39 ; J2.39 167.97,252.08 ; J2.39 167.31,252.74 ; 42.82,228.45 U56.8 v1(42.82,226.39) ; v1(225.98,77.09) R12558.2 ; 24.25,176.63 D605.1 v1(23.34,176.63) ; 26.31,178.56 R13021.2 ; R13021.2 25.88,178.99 ; R13021.2 v1(26.31,179.6) ; R12853.2 v1(194.94,185.93) ; C3289.2 44.37,235.18 ; C3289.2 v1(43.94,234.57) ; C3289.2 43.51,235.18 ; v1(18.14,192.12) D577.1 18.64,191.77 ; C3463.1 139.09,296.85 ; C3463.1 138.66,296.42 ; C3463.1 138.23,296.85 ; C6239.2 v1(22.78,186.49) ; C6239.2 22.35,187.1 ; C6239.2 23.22,187.1 ; J1.184 182.77,251.23 ; J1.184 181.45,251.23 ; J1.184 182.11,250.56 ; J1.184 182.11,251.89 ; 32.46,184.73 C6244.2 ; C6244.2 32.46,185.6 ; C6244.2 v1(33.07,185.17) ; 54.53,243.58 J3.193 ; J3.193 55.19,242.91 ; J3.193 55.19,244.24 ; J3.193 55.85,243.58 ; D589.1 v1(233.65,166.34) ; D589.1 233.15,166.01 ; D589.1 232.82,166.34 ; 52.33,244.43 J3.48 ; J3.48 52.99,243.76 ; J3.48 52.99,245.09 ; J3.48 53.65,244.43 ; v1(155.09,32.19) J2030.3 v1(152.83,32.19) ; C3278.1 225.17,112.01 ; C3278.1 224.31,112.01 ; C3278.1 v1(224.74,112.62) ; J2.178 172.71,256.99 ; J2.178 172.71,255.66 ; J2.178 172.05,256.33 ; J2.178 173.37,256.33 ; C3277.1 v1(224.74,131.11) ; C3277.1 225.17,130.51 ; C3277.1 224.31,130.51 ; J2.270 173.37,173.03 ; J2.270 172.71,172.36 ; J2.270 172.05,173.03 ; J2.270 172.71,173.69 ; 170.45,178.98 J2.263 ; J2.263 171.77,178.98 ; J2.263 171.11,178.31 ; J2.263 171.11,179.64 ; 181.45,273.33 J1.158 ; J1.158 182.77,273.33 ; J1.158 182.11,272.66 ; J1.158 182.11,273.99 ; U3253.9 v1(114.08,63.78) ; 172.05,190.03 J2.250 ; J2.250 172.71,190.69 ; J2.250 172.71,189.36 ; J2.250 173.37,190.03 ; R12835.2 v1(227.76,148.67) ; R12835.2 226.72,148.67 ; R12835.2 227.15,149.1 ; 54.53,195.98 J3.243 ; J3.243 55.19,195.31 ; J3.243 55.19,196.64 ; J3.243 55.85,195.98 ; 54.53,263.98 J3.169 ; J3.169 55.19,264.64 ; J3.169 55.19,263.31 ; J3.169 55.85,263.98 ; J2.281 171.77,163.68 ; J2.281 170.45,163.68 ; J2.281 171.11,164.34 ; J2.281 171.11,163.01 ; J3.31 52.05,258.88 ; J3.31 51.39,259.54 ; J3.31 50.73,258.88 ; J3.31 51.39,258.21 ; C3358.2 v1(21.44,112.67) ; C3358.2 22.05,113.11 ; C3358.2 22.05,112.24 ; J1.276 182.11,168.59 ; J1.276 182.11,167.26 ; J1.276 182.77,167.92 ; J1.276 181.45,167.92 ; v1(23.34,169.32) D609.1 24.21,169.32 ; v1(198.15,180.87) C6119.2 R235.2 ; 176.71,271.81 J1.15 ; J1.15 176.71,273.14 ; J1.15 177.37,272.48 ; J1.15 176.05,272.48 ; J2.35 167.97,255.47 ; J2.35 167.31,256.14 ; J2.35 167.31,254.81 ; U3265.29 121.37,300.49 C3448.1 v1(121.51,301.24) ; 115.65,112.27 R293.2 ; R293.2 116.08,111.84 ; R293.2 v1(116.69,112.27) ; 182.11,174.06 J1.268 ; J1.268 182.11,175.39 ; J1.268 182.77,174.73 ; J1.268 181.45,174.73 ; C3290.2 44.37,240.21 ; C3290.2 v1(43.94,240.82) ; C3290.2 43.51,240.21 ; C5744.2 v1(53.8,53.39) ; C5744.2 53.34,54 ; C5744.2 C5745.2 ; 55.5,128.12 55.5,128.55 ; 55.5,128.12 55.5,127.69 ; 55.5,128.12 v1(56.11,128.12) ; R28.1 v1(199.95,247.27) R26.1 ; 194.23,204.62 C6130.1 ; C6130.1 v1(194.84,205.05) ; C6130.1 194.23,205.49 ; R2180.2 203.84,259.11 ; R2180.2 202.97,259.11 ; R2180.2 v1(203.4,259.71) ; R12721.2 v1(128.42,74.75) ; J1.191 181.17,245.28 ; J1.191 179.85,245.28 ; J1.191 180.51,245.94 ; J1.191 180.51,244.61 ; C3283.1 v1(224.74,124.87) ; C3283.1 224.31,125.48 ; C3283.1 225.17,125.48 ; 36.67,248.97 U2003.11 ; U2003.11 37.03,247.96 ; U2003.11 v1(37.03,250.14) ; R12959.2 v1(175.64,92.43) ; R12959.2 176.25,92 ; R12959.2 176.25,92.86 ; R235.2 197.51,182.17 ; R235.2 197.94,181.74 ; 171.11,197.01 J2.241 170.45,197.67 ; J3.162 56.79,270.59 ; J3.162 56.79,269.26 ; J3.162 57.45,269.93 ; J3.162 56.13,269.93 ; C5925.2 29.44,225.91 ; C5925.2 v1(30.05,225.48) ; C5925.2 29.44,225.04 ; 56.79,238.66 J3.198 ; J3.198 56.13,239.33 ; J3.198 56.79,239.99 ; J3.198 57.45,239.33 ; 62.39,245.09 J4.48 61.73,244.43 ; C5933.2 v1(19.76,222.5) ; C5933.2 20.19,223.11 ; C5933.2 19.33,223.11 ; 64.59,178.31 J4.263 ; J4.263 64.59,179.64 ; J4.263 63.93,178.98 ; J4.263 65.25,178.98 ; 171.11,245.94 J2.191 171.77,245.28 ; 181.45,275.03 J1.156 ; J1.156 182.11,275.69 ; J1.156 182.77,275.03 ; J1.156 182.11,274.36 ; 58.42,108.18 R12880.1 ; R12880.1 v1(58.85,108.79) ; R12880.1 58.85,107.75 ; U2001.4 22.5,63.71 ; U2001.4 v1(22.5,61.67) ; U2001.4 22.03,62.78 ; U2001.4 22.98,62.78 ; 56.79,257.36 J3.176 ; J3.176 56.13,258.03 ; J3.176 57.45,258.03 ; J3.176 56.79,258.69 ; 230.96,269.62 v1(230.96,270.23) ; 168.91,177.46 J2.120 ; J2.120 169.57,178.13 ; J2.120 168.25,178.13 ; J2.120 168.91,178.79 ; v1(221.03,162.26) 224.23,159.06 U3259.34 ; J2.182 172.71,253.59 ; J2.182 172.71,252.26 ; J2.182 173.37,252.93 ; J2.182 172.05,252.93 ; R136.1 v1(230.96,272.52) ; 118.16,149.88 C3159.2 117.73,150.32 ; 168.25,247.83 J2.44 ; J2.44 169.57,247.83 ; J2.44 168.91,248.49 ; J2.44 168.91,247.16 ; 114.43,265.58 114.43,266.45 v1(113.82,266.45) ; 114.43,265.58 v1(113.82,265.58) C577.2 113.21,265.18 ; 114.43,265.58 114.43,265.18 ; 177.65,181.53 J1.116 ; J1.116 178.97,181.53 ; J1.116 178.31,180.86 ; J1.116 178.31,182.19 ; 179.85,279.28 J1.151 180.51,278.61 ; 227.46,266.57 227.89,266.57 ; 227.89,266.57 v1(228.5,266.57) ; 227.89,266.57 227.89,267.01 ; v1(119.23,68.5) R12695.1 118.62,68.96 ; C3432.1 115.95,300.46 ; C3432.1 v1(115.49,301.07) ; C3432.1 v1(114.88,300.46) ; 129.03,297.02 U3266.4 130.18,297.02 ; D539.1 18.97,213.02 ; D539.1 v1(18.14,213.02) ; D539.1 18.64,212.7 ; C6021.2 v1(212.93,14.94) ; C6021.2 213.39,14.33 ; U3277.3 v1(179.73,80.99) ; 64.59,196.64 J4.243 63.93,195.98 ; R13013.2 194.13,112.93 ; R296.2 R295.2 v1(118.11,109.6) ; 178.97,281.83 J1.4 178.31,282.49 ; U3267.29 141.84,300.49 C3467.1 v1(141.99,301.24) ; 61.37,67.11 R12881.1 ; R12881.1 v1(61.37,68.15) ; R12881.1 61.8,67.54 ; 170.45,161.98 J2.283 171.11,162.64 ; C6235.2 193.35,117.55 ; C6235.2 v1(192.91,116.94) ; C6235.2 192.48,117.55 ; 52.33,181.53 J3.116 ; J3.116 52.99,180.86 ; J3.116 53.65,181.53 ; J3.116 52.99,182.19 ; 99.44,110.29 R287.2 ; R287.2 99.01,110.72 ; R287.2 v1(98.83,110.44) ; C6039.2 v1(30.05,203.28) ; C6039.2 29.44,202.84 ; C6039.2 29.44,203.71 ; 176.05,274.18 J1.13 ; J1.13 176.71,274.84 ; J1.13 177.37,274.18 ; J1.13 176.71,273.51 ; 41.45,183.46 C6150.2 41.91,183.01 ; 177.65,196.83 J1.98 ; J1.98 178.97,196.83 ; J1.98 178.31,196.16 ; J1.98 178.31,197.49 ; 43.51,249.35 C3287.1 ; C3287.1 v1(43.94,248.74) ; C3287.1 44.37,249.35 ; R7.2 v1(185.34,164.19) ; 98.32,297.02 U3263.4 99.48,297.02 ; v1(152.83,42.69) J2030.45 v1(155.09,42.69) ; 170.45,241.88 J2.195 ; J2.195 171.77,241.88 ; J2.195 171.11,242.54 ; C3325.2 50.01,280.26 ; C3325.2 R494.2 48.69,279.81 ; C3325.2 v1(49.56,279.65) ; 177.65,249.53 J1.42 ; J1.42 178.31,248.86 ; J1.42 178.31,250.19 ; J1.42 178.97,249.53 ; 222.91,78.43 222.91,78.87 ; 222.91,78.87 222.33,78.87 ; 222.91,78.87 223.34,78.87 ; R2117.1 v1(108.99,105.41) ; 54.53,248.68 J3.187 ; J3.187 55.19,248.01 ; J3.187 55.85,248.68 ; J3.187 55.19,249.34 ; 64.59,245.94 J4.191 63.93,245.28 ; J2.127 167.97,172.18 ; J2.127 166.65,172.18 ; J2.127 167.31,172.84 ; J2.127 167.31,171.51 ; C3462.1 128.85,296.85 ; C3462.1 127.99,296.85 ; C3462.1 128.42,296.42 ; 63.05,200.23 J4.94 62.39,199.56 ; J1.17 176.71,271.44 ; J1.17 176.05,270.78 ; J1.17 177.37,270.78 ; J1.17 176.71,270.11 ; Q2008.2 107.81,41.97 ; Q2008.2 108.37,41.28 ; Q2008.2 v1(107.81,40.41) ; Q2008.2 107.25,41.28 ; 168.91,243.76 J2.48 168.25,244.43 ; 168.91,197.86 J2.96 168.25,198.53 ; R12847.2 v1(186.18,191.24) ; D583.1 v1(233.65,158.2) ; C3143.2 119.99,266.01 ; C3143.2 v1(119.38,265.58) ; C3143.2 119.99,265.15 ; U19.3 v1(121.06,158.9) ; J3.11 51.39,276.54 ; J3.11 52.05,275.87 ; J3.11 50.73,275.87 ; J3.11 51.39,275.21 ; 167.31,173.21 J2.125 ; J2.125 167.31,174.54 ; J2.125 166.65,173.88 ; J2.125 167.97,173.88 ; v1(111.28,301.24) C3435.1 111.13,300.49 U3264.29 ; 21.41,204.67 C6046.2 ; C6046.2 22,205.23 ; C6046.2 22.58,204.67 ; C6248.2 25.4,174.37 ; C6248.2 v1(25.4,173.33) ; C6248.2 25.83,173.94 ; C3279.1 v1(205.56,236.19) ; C3279.1 205.99,236.8 ; C3279.1 205.13,236.8 ; 58.42,87.48 R289.2 ; R289.2 58.85,87.05 ; R12616.2 v1(23.29,219.91) ; R12616.2 22.86,219.3 ; R12616.2 23.29,218.87 ; R120.1 v1(43.61,281.25) ; J1.162 182.77,269.93 ; J1.162 181.45,269.93 ; J1.162 182.11,269.26 ; J1.162 182.11,270.59 ; C1569.2 v1(111.2,149.53) ; R12917.1 v1(219.71,199.26) ; 26.31,187.15 R13018.2 ; R13018.2 25.88,187.58 ; R13018.2 v1(26.31,188.19) ; J4.283 64.59,162.64 ; J4.283 63.93,161.98 ; J4.283 64.59,161.31 ; J4.283 65.25,161.98 ; 181.45,188.32 J1.252 ; J1.252 182.77,188.32 ; J1.252 182.11,188.99 ; J1.252 182.11,187.66 ; 238.12,94.72 C5859.1 ; C5859.1 238.99,94.72 ; v1(222.3,64.87) R12562.2 ; C1672.2 v1(15.01,155.5) ; C6020.2 217.75,293.85 ; C6020.2 v1(218.19,293.24) ; 64.59,180.01 J4.261 ; J4.261 65.25,180.68 ; J4.261 63.93,180.68 ; J4.261 64.59,181.34 ; 172.71,272.66 J2.158 ; J2.158 172.05,273.33 ; J2.158 172.71,273.99 ; J2.158 173.37,273.33 ; 48.51,95.07 C5746.2 ; C5746.2 48.51,95.94 ; C5746.2 v1(49.12,95.5) ; J3.114 52.99,183.89 ; J3.114 53.65,183.23 ; J3.114 52.99,182.56 ; J3.114 52.33,183.23 ; J3.279 55.85,165.38 ; J3.279 54.53,165.38 ; J3.279 55.19,166.04 ; J3.279 55.19,164.71 ; R2582.2 v1(132.28,81.18) ; R2582.2 132.72,81.79 ; R2582.2 131.85,81.79 ; C5755.2 v1(49.12,67.54) ; C5755.2 48.51,67.11 ; C5755.2 48.51,67.97 ; R10.2 v1(50.16,199.42) ; R10.2 49.12,199.42 ; R10.2 49.56,198.98 ; J2.274 173.37,169.63 ; J2.274 172.05,169.63 ; J2.274 172.71,168.96 ; J2.274 172.71,170.29 ; R27.1 v1(199.95,243.54) R25.1 ; 20.22,204.67 C6047.2 ; C6047.2 21.39,204.67 ; C6047.2 20.8,205.23 ; v1(118.2,26.92) 118.22,26.95 U2009.27 ; 179.85,262.28 J1.171 ; J1.171 180.51,261.61 ; J1.171 180.51,262.94 ; J1.171 181.17,262.28 ; R679.1 v1(110.95,144.68) ; J2.259 171.77,182.38 ; J2.259 170.45,182.38 ; J2.259 